# Altium PCB ChuanGanQi.PcbDoc
Units mil, origin at the board's own origin, x right, y up, seen from the top; angles counter-clockwise.
Board outline 5472.44 x 1377.95 mil, 2 copper layers (Top Layer, Bottom Layer); 124 components, 85 nets, 315 pads, 51 vias.
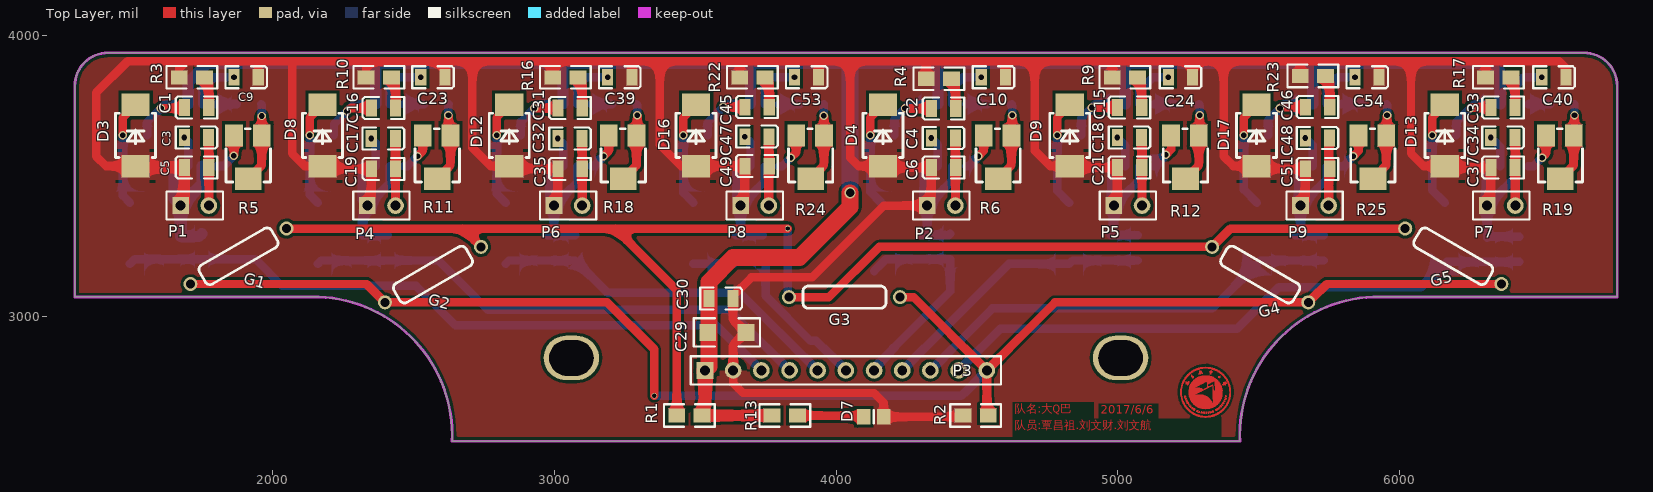
[diagram p0: Top Layer view]
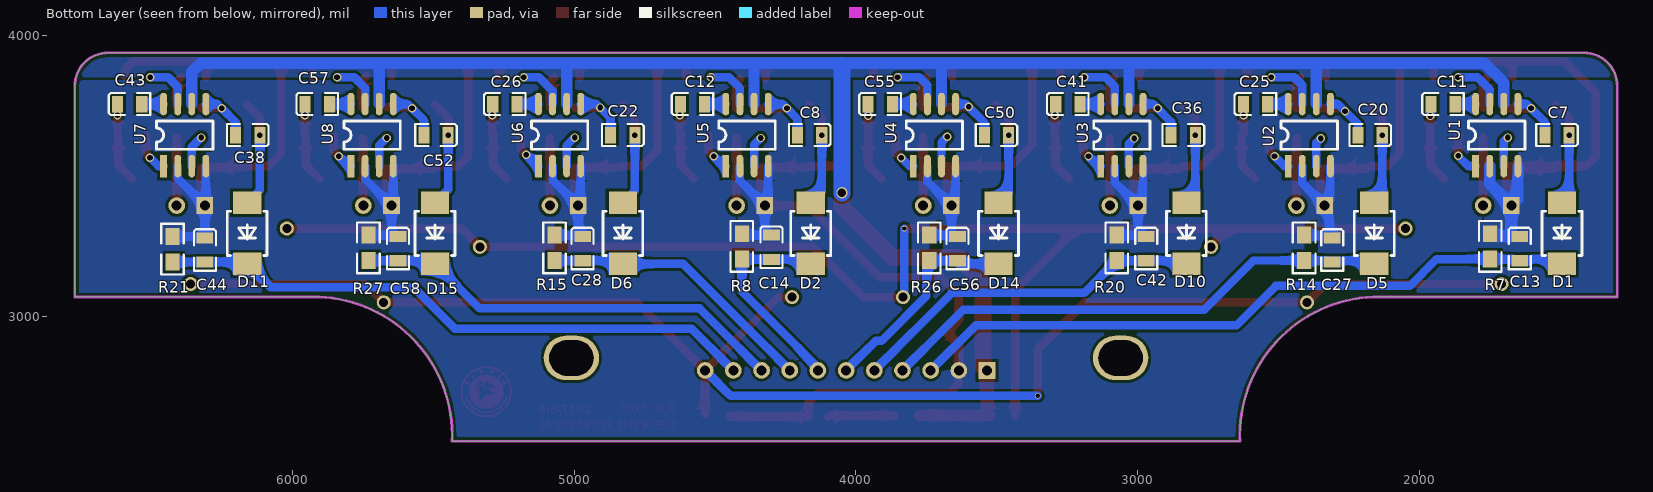
[diagram p1: Bottom Layer view, seen from below]
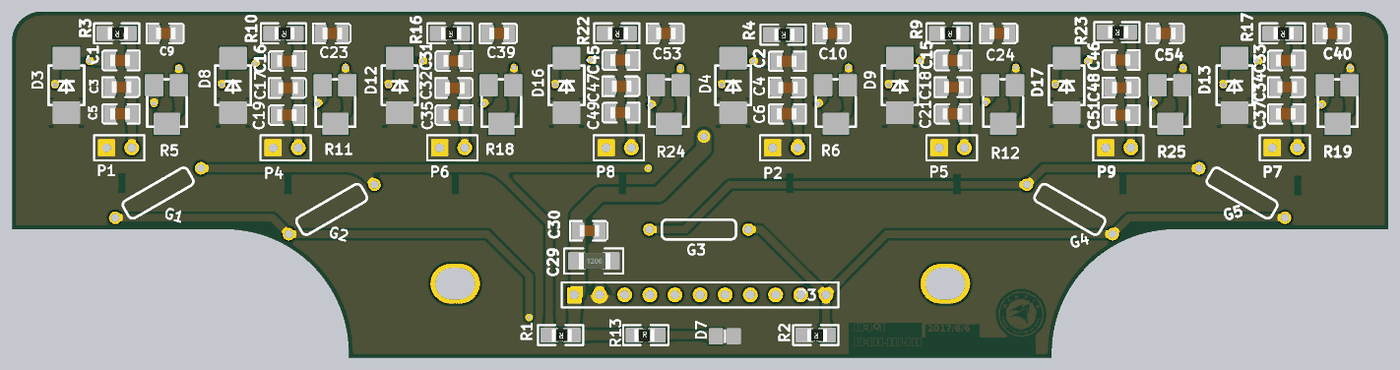
[diagram p2: 3D render of the assembled board from above, using the file's embedded part models]
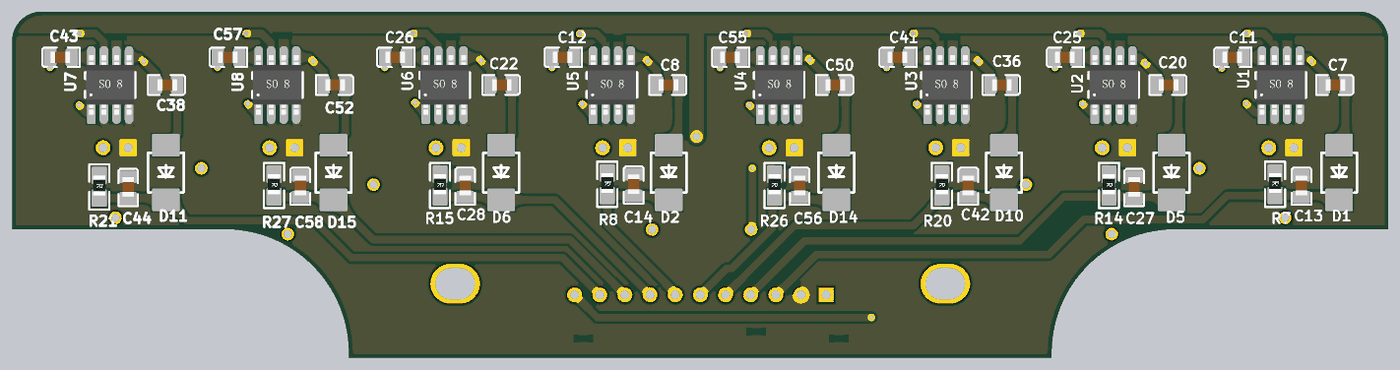
[diagram p3: 3D render of the assembled board from below, using the file's embedded part models]

## Layer stack, top to bottom
Top Solder: solder mask 0.4, Solder Resist, Dk 3.5
Top Layer: signal copper 1.4
Dielectric 1: dielectric 12.6, FR-4, Dk 4.8
Bottom Layer: signal copper 1.4
Bottom Solder: solder mask 0.4, Solder Resist, Dk 3.5

## Board outline
1299.21,3070.87 2165.35,3070.87 cw(c2145.67,2578.74) 2637.8,2559.06 5433.07,2559.06 cw(c5925.2,2578.74) 5905.51,3070.87 6771.65,3070.87 6771.65,3818.9 ccw(c6653.54,3818.9) 6653.54,3937.01 1417.32,3937.01 ccw(c1417.32,3818.9) 1299.21,3818.9

## Design rules (kind name [scope] priority, off if disabled: settings)
Clearance [All] p1: gap=10
HoleSize [All] p1: absolutevalues=TRUE maxlimit=200 minlimit=6 maxpercent=80.000 minpercent=20.000
MinimumSolderMaskSliver [All] p1: minsoldermaskwidth=2
PasteMaskExpansion [All] p1: expansion=5
PlaneClearance [All] p1: clearance=30
PlaneConnect [All] p1: planeconnectstyle=Relief reliefexpansion=30 reliefentries=4 reliefconductorwidth=100 reliefairgap=20
PolygonConnect [All] p1: connectstyle=Relief reliefconductorwidth=100 reliefentries=4 polygonreliefangle="90 Angle" airgapwidth=20
RoutingVias [All] p1: holewidth=15 width=20 viastyle="Through Hole" minholewidth=6 minwidth=6 maxholewidth=150 maxwidth=200
SilkToSilkClearance [All] p1: silktosilkclearance=0
SilkToSolderMaskClearance [IsPad] p1: minsilkscreentomaskgap=0 clearancetoexposedcopper=TRUE
SolderMaskExpansion [All] p1: expansion=5
Width gnd [InNet('GND')] p1: maxlimit=196.85 minlimit=30 preferedwidth=50
Width power [InNet('NetC21_1')] p2: maxlimit=118.11 minlimit=30 preferedwidth=78.74
Width [All] p3: maxlimit=118.11 minlimit=6 preferedwidth=30
23 further rules are at their usual default settings.

## Components (designator, comment, footprint, x,y, rotation, side; value= is the part's Value field where it differs from the comment)
C1 "Cap" C-0805 1688.66,3742.62 r0 top
C2 "Cap" C-0805 4338.66,3739.29 r0 top
C3 "Cap" C-0805 1774.06,3636.31 r180 top
C4 "Cap" C-0805 4424.06,3634.65 r180 top
C5 "Cap" C-0805 1688.66,3530 r0 top
C6 "Cap" C-0805 4338.66,3530 r0 top
C7 "Cap" C-0805 1470,3645 r0 bottom
C8 "Cap" C-0805 4121.43,3645 r0 bottom
C9 "Cap" C-0805 1950,3850 r180 top
C10 "Cap" C-0805 4601.43,3850 r180 top
C11 "Cap Pol2" C-0805 1960,3755 r180 bottom
C12 "Cap Pol2" C-0805 4622.86,3755 r180 bottom
C13 "Cap" C-0805 1645,3285 r270 bottom
C14 "Cap" C-0805 4300,3290 r270 bottom
C15 "Cap" C-0805 4998.66,3742.62 r0 top
C16 "Cap" C-0805 2351.52,3740.96 r0 top
C17 "Cap" C-0805 2436.92,3632.98 r180 top
C18 "Cap" C-0805 5084.06,3636.31 r180 top
C19 "Cap" C-0805 2351.52,3525 r0 top
C20 "Cap" C-0805 2132.86,3645 r0 bottom
C21 "Cap" C-0805 4998.66,3530 r0 top
C22 "Cap" C-0805 4784.29,3645 r0 bottom
C23 "Cap" C-0805 2612.86,3850 r180 top
C24 "Cap" C-0805 5265,3850 r180 top
C25 "Cap Pol2" C-0805 2625.71,3755 r180 bottom
C26 "Cap Pol2" C-0805 5288.57,3755 r180 bottom
C27 "Cap" C-0805 2310,3280 r270 bottom
C28 "Cap" C-0805 4970,3285 r270 bottom
C29 "Cap Pol1" 1206 3545,2945 r0 top
C30 "Cap" C-0805 3635,3065 r180 top
C31 "Cap" C-0805 3013.66,3740.96 r0 top
C32 "Cap" C-0805 3099.06,3632.98 r180 top
C33 "Cap" C-0805 6323.66,3742.62 r0 top
C34 "Cap" C-0805 6409.06,3636.31 r180 top
C35 "Cap" C-0805 3013.66,3525 r0 top
C36 "Cap" C-0805 2795.71,3645 r0 bottom
C37 "Cap" C-0805 6323.66,3530 r0 top
C38 "Cap" C-0805 6115,3645 r0 bottom
C39 "Cap" C-0805 3275.71,3850 r180 top
C40 "Cap" C-0805 6590,3850 r180 top
C41 "Cap Pol2" C-0805 3291.43,3755 r180 bottom
C42 "Cap" C-0805 2970,3285 r270 bottom
C43 "Cap Pol2" C-0805 6620,3755 r180 bottom
C44 "Cap" C-0805 6310,3280 r270 bottom
C45 "Cap" C-0805 3677.23,3744.29 r0 top
C46 "Cap" C-0805 5665.8,3744.29 r0 top
C47 "Cap" C-0805 3762.63,3639.65 r180 top
C48 "Cap" C-0805 5751.21,3634.65 r180 top
C49 "Cap" C-0805 3677.23,3535 r0 top
C50 "Cap" C-0805 3458.57,3645 r0 bottom
C51 "Cap" C-0805 5665.8,3525 r0 top
C52 "Cap" C-0805 5447.14,3645 r0 bottom
C53 "Cap" C-0805 3938.57,3850 r180 top
C54 "Cap" C-0805 5927.14,3850 r180 top
C55 "Cap Pol2" C-0805 3957.14,3755 r180 bottom
C56 "Cap" C-0805 3640,3285 r270 bottom
C57 "Cap Pol2" C-0805 5954.29,3755 r180 bottom
C58 "Cap" C-0805 5625,3285 r270 bottom
D1 "Diode" DO214AA 1495,3300 r270 bottom
D2 "Diode" DO214AA 4160.71,3300 r270 bottom
D3 "Diode" DO214AA 1515,3640 r90 top
D4 "Diode" DO214AA 4166.43,3640 r90 top
D5 "Diode" DO214AA 2161.43,3300 r270 bottom
D6 "Diode" DO214AA 4827.14,3300 r270 bottom
D7 "LED0" 6-0805_N 4133.53,2645.37 r0 top
D8 "Diode" DO214AA 2177.86,3640 r90 top
D9 "Diode" DO214AA 4829.29,3640 r90 top
D10 "Diode" DO214AA 2827.86,3300 r270 bottom
D11 "Diode" DO214AA 6160,3300 r270 bottom
D12 "Diode" DO214AA 2840.71,3640 r90 top
D13 "Diode" DO214AA 6160,3640 r90 top
D14 "Diode" DO214AA 3494.29,3300 r270 bottom
D15 "Diode" DO214AA 5493.57,3300 r270 bottom
D16 "Diode" DO214AA 3503.57,3640 r90 top
D17 "Diode" DO214AA 5492.14,3640 r90 top
G1 "GHG" GHG_MIN 1880,3215 r210 top
G2 "GHG" GHG_MIN 2570,3150 r210 top
G3 "GHG" GHG_MIN 4030,3070 r0 top
G4 "GHG" GHG_MIN 5505,3150 r330 top
G5 "GHG" GHG_MIN 6190,3215 r330 top
P1 "Header 2" HDR1X2 1675,3395 r0 top
P2 "Header 2" HDR1X2 4323.57,3395 r0 top
P3 "Header 11" HDR1X11 3535,2810 r0 top
P4 "Header 2" HDR1X2 2337.14,3395 r0 top
P5 "Header 2" HDR1X2 4985.71,3395 r0 top
P6 "Header 2" HDR1X2 2999.29,3395 r0 top
P7 "Header 2" HDR1X2 6310,3395 r0 top
P8 "Header 2" HDR1X2 3661.43,3395 r0 top
P9 "Header 2" HDR1X2 5647.86,3395 r0 top
R1 "Res2" 0805 3485,2650 r180 top
R2 "Res2" 0805 4500,2650 r180 top
R3 "Res2" 0805 1720,3850 r180 top
R4 "Res2" 0805 4370,3845 r180 top
R5 "RES-ADJ" T-3224w 1915,3510 r90 top
R6 "RES-ADJ" T-3224w 4575,3510 r90 top
R7 "Res2" 0805 1750,3255 r270 bottom
R8 "Res2" 0805 4405,3255 r270 bottom
R9 "Res2" 0805 5030,3850 r180 top
R10 "Res2" 0805 2382.86,3850 r180 top
R11 "RES-ADJ" T-3224w 2585,3510 r90 top
R12 "RES-ADJ" T-3224w 5240,3510 r90 top
R13 "Res2" 0805 3813.33,2650 r0 top
R14 "Res2" 0805 2410,3250 r270 bottom
R15 "Res2" 0805 5070,3250 r270 bottom
R16 "Res2" 0805 3045,3850 r180 top
R17 "Res2" 0805 6355,3850 r180 top
R18 "RES-ADJ" T-3224w 3245,3510 r90 top
R19 "RES-ADJ" T-3224w 6570,3510 r90 top
R20 "Res2" 0805 3075,3250 r270 bottom
R21 "Res2" 0805 6425,3245 r270 bottom
R22 "Res2" 0805 3708.57,3850 r180 top
R23 "Res2" 0805 5697.14,3855 r180 top
R24 "RES-ADJ" T-3224w 3910,3510 r90 top
R25 "RES-ADJ" T-3224w 5905,3510 r90 top
R26 "Res2" 0805 3740,3250 r270 bottom
R27 "Res2" 0805 5730,3250 r270 bottom
U1 "LM386" SO-8 1801.65,3535 r90 bottom
U2 "LM386" SO-8 2466.65,3535 r90 bottom
U3 "LM386" SO-8 3131.65,3535 r90 bottom
U4 "LM386" SO-8 3796.65,3535 r90 bottom
U5 "LM386" SO-8 4461.65,3535 r90 bottom
U6 "LM386" SO-8 5126.65,3535 r90 bottom
U7 "LM386" SO-8 6456.65,3535 r90 bottom
U8 "LM386" SO-8 5791.65,3535 r90 bottom

## Footprints (in the part's own frame and the unit in brackets; to place one, negate y for a bottom-side part, rotate by r counter-clockwise, add the part's x,y. Pads: shape width x height; smd on the part's side, far side on the other; paste and mask are expansions set on the pad)
6-0805_N [mm] "Chip Resistor, Body 2.0x1.2mm, IPC Medium Density"
  rect 1.2x1.4 smd: 1(-0.9,0) 2(0.9,0)
  silkscreen extent 0,-0.6 0,0.6, body extent -1.07,-0.7 1.07,0.7, height 0.7
0805 [mil]
  rect 60x50 smd: 1(-40,0) 2(50,0)
  silkscreen extent -85,-40 95,40, body extent -39,-24 39,29, height 26
1206 [mil]
  rect 60x60 smd: 1(0,0) 2(135,0)
  silkscreen extent -50,-50 185,50, body extent 7,-32 133,32, height 23
C-0805 [mm]
  rect 1x1.5 smd: 1(0,0) 2(2.184,0)
  silkscreen extent -0.79,-0.99 2.96,0.99, body extent 0.02,-0.6 2.02,0.6, height 0.95
DO214AA [mil]
  rect 80x100 smd: 1(-105,0) 2(112,0)
  silkscreen extent -75,-71 82,71
GHG_MIN [mil]
  round 50 hole 32: 1(-196.85,0) 2(196.85,0)
  silkscreen extent -148,-39 148,39
HDR1X2 [mm] "Connector; Header; 2 Position"
  rect 1.5x1.5 hole 0.9: 1(0,0)
  round 1.5 hole 0.9: 2(2.54,0)
  silkscreen extent -1.27,-1.27 3.81,1.27
HDR1X11 [mm] "Connector; Header; 11 Position"
  rect 1.5x1.5 hole 0.9: 1(0,0)
  round 1.5 hole 0.9: 2(2.54,0) 3(5.08,0) 4(7.62,0) 5(10.16,0) 6(12.7,0) 7(15.24,0) 8(17.78,0) 9(20.32,0) 10(22.86,0) 11(25.4,0)
  silkscreen extent -1.27,-1.27 26.67,1.27
SO-8 [mil]
  rect 80x24 smd: 1(0,0)
  oval 80x24 smd: 2(0,-50) 3(0,-100) 4(0,-150) 5(220,-150) 6(220,-100) 7(220,-50) 8(220,0)
  silkscreen extent 60,-175 160,25, body extent -8,-171 228,21, height 67
T-3224w [mm]
  rect 2x1.6 smd: 1(3.4,-1.2) 3(3.4,1.3)
  rect 2x2.4 smd: 2(-0.5,0)
  silkscreen extent -0.8,-2 4,2

## Part data
C1 C2 C3 C4 C5 C6 C7 C8 C9 C10 C13 C14 C15 C16 C17 C18 C19 C20 C21 C22 C23 C24 C27 C28 C30 C31 C32 C33 C34 C35 C36 C37 C38 C39 C40 C42 C44 C45 C46 C47 C48 C49 C50 C51 C52 C53 C54 C56 C58: "Capacitor"
C11 C12 C25 C26 C41 C43 C55 C57: "Polarized Capacitor (Axial)"
C29: "Polarized Capacitor (Radial)"
D1 D2 D3 D4 D5 D6 D8 D9 D10 D11 D12 D13 D14 D15 D16 D17: "Default Diode"
D7: "Typical INFRARED GaAs LED"
P1 P2 P4 P5 P6 P7 P8 P9: "Header, 2-Pin"
P3: "Header, 11-Pin"
R1 R2 R3 R4 R7 R8 R9 R10 R13 R14 R15 R16 R17 R20 R21 R22 R23 R26 R27: "Resistor"

## Free pads (board coordinates)
  oval 196.85x157.48 hole 125.98 slot 157.48 at 0 deg: 0(3061.02,2854.33) 0(5009.84,2854.33)

## Via types
v1: diameter 30, hole 20, Top Layer to Bottom Layer, 48 vias
v2: diameter 20, hole 15, Top Layer to Bottom Layer, 2 vias
v3: diameter 40, hole 30, Top Layer to Bottom Layer, 1 vias

## Nets (pads, with @x,y where several pads share a name; then routed paths per layer and width w, separated by ;. In a path a pad name is that pad's centre, name@x,y a point inside that pad or via, vN(x,y) a via of type N, cw(c..) or ccw(c..) an arc to the next point about the centre after c; other vN are vias at no path point)
GND: C5.1 C6.1 C9.1 C10.1 C13.1 C14.1 C19.1 C21.1 C23.1 C24.1 C27.1 C28.1 C29.2 C30.1 C35.1 C37.1 C39.1 C40.1 C42.1 C44.1 C49.1 C51.1 C53.1 C54.1 C56.1 C58.1 D3.1 D4.1 D7.2 D8.1 D9.1 D12.1 D13.1 D16.1 D17.1 P1.1 P2.1 P3.2 P4.1 P5.1 P6.1 P7.1 P8.1 P9.1 R2.2 R3.2 R4.2 R7.1 R8.1 R9.2 R10.2 R14.1 R15.1 R16.2 R17.2 R20.1 R21.1 R22.2 R23.2 R26.1 R27.1 U1.2 U1.4 U2.2 U2.4 U3.2 U3.4 U4.2 U4.4 U5.2 U5.4 U6.2 U6.4 U7.2 U7.4 U8.2 U8.4 | length 18649
  Top Layer w30: D3.1 1410,3535 1375,3570 1375,3795 1487.01,3907.01 1695,3907.01 ; R3.2 1670,3882.01 1695,3907.01 ; 1691.76,3903.77 1695,3907.01 ; C9.1 1950,3890 1932.99,3907.01 ; R10.2 2332.86,3884.87 2355,3907.01 ; P4.1 2351.52,3409.38 C19.1 2187.86,3525 D8.1 2115,3535 2070,3580 2070,3902.01 2075,3907.01 ; C23.1 2612.86,3877.14 2582.99,3907.01 ; R16.2 2995,3907.01 ; P6.1 3013.66,3409.38 C35.1 2850.71,3525 D12.1 2775,3535 2710,3600 2710,3907.01 ; C39.1 3275.71,3906.29 3275,3907.01 ; R22.2 3658.57,3905.58 3660,3907.01 ; P8.1 3677.23,3410.8 C49.1 D16.1 3450,3535 3375,3610 3375,3907.01 ; C53.1 3938.57,3905.58 3940,3907.01 ; R4.2 4320,3902.01 4325,3907.01 ; R2.2 4445.37,2645.37 D7.2 4168.97,2696.03 4135,2730 3670,2730 3635,2765 P3.2 3635,2900 C29.2 3635,2990 C30.1 3635,3075 3700,3140 3915,3140 4170,3395 P2.1 4338.66,3410.09 C6.1 4171.43,3530 D4.1 4080,3535 4050,3565 4050,3907.01 ; C10.1 4601.43,3903.44 4605,3907.01 ; R9.2 4980,3902.01 4985,3907.01 ; P5.1 4998.66,3407.95 C21.1 4834.29,3530 D9.1 4760,3535 4705,3590 4705,3907.01 ; C24.1 5265,3907.01 ; R23.2 5647.14,3904.87 5645,3907.01 ; P9.1 5665.8,3412.95 C51.1 5502.14,3525 D17.1 5410,3535 5375,3570 5375,3907.01 ; C54.1 5927.14,3904.15 5930,3907.01 ; R17.2 6305,3902.01 6300,3907.01 ; P7.1 6323.66,3408.66 C37.1 6165,3530 D13.1 6085,3535 6040,3580 6040,3907.01 ; C40.1 6590,3882.01 6565,3907.01 6300,3907.01 ; 1695,3907.01 1932.99,3907.01 ; 1932.99,3907.01 2075,3907.01 ; 2075,3907.01 2355,3907.01 ; 2355,3907.01 2582.99,3907.01 ; 2582.99,3907.01 2710,3907.01 ; 2710,3907.01 2995,3907.01 ; 2995,3907.01 3275,3907.01 ; 3275,3907.01 3375,3907.01 ; 3375,3907.01 3660,3907.01 ; 3660,3907.01 3940,3907.01 ; 3940,3907.01 4050,3907.01 ; 4050,3907.01 4325,3907.01 ; 4325,3907.01 4605,3907.01 ; 4605,3907.01 4705,3907.01 ; 4705,3907.01 4985,3907.01 ; 4985,3907.01 5265,3907.01 ; 5265,3907.01 5375,3907.01 ; 5375,3907.01 5645,3907.01 ; 5645,3907.01 5930,3907.01 ; 5930,3907.01 6040,3907.01 ; 6040,3907.01 6300,3907.01
  Top Layer w40: D3.1 1520,3530 C5.1 1688.66,3408.66 P1.1
  Bottom Layer w30: U2.4 2316.65,3415.49 P4.1 ; R14.1 2320,3290 2320,3377.86 P4.1 ; U2.2 2416.65,3474.51 P4.1 ; U3.4 2981.65,3412.64 P6.1 ; R20.1 2975,3290 2999.29,3314.29 P6.1 ; U3.2 3081.65,3477.36 P6.1 ; U4.4 3646.65,3409.78 P8.1 ; R26.1 3645,3290 3661.43,3306.43 P8.1 ; U4.2 3746.65,3480.22 P8.1 ; U5.4 4311.65,3406.92 P2.1 ; R8.1 4400,3290 C14.1 4323.57,3313.57 P2.1 ; U5.2 4411.65,3483.08 P2.1 ; U6.4 4976.65,3404.06 P5.1 ; R15.1 4975,3290 4985.71,3300.71 P5.1 ; U6.2 5076.65,3485.94 P5.1 ; P9.1@5641.65,3414.79 U8.4 ; R27.1 5630,3290 5647.86,3307.86 P9.1 5741.65,3488.79 U8.2 ; U7.4 6306.65,3398.35 P7.1 ; U7.2 6406.65,3491.65 P7.1 ; R21.1 6315,3285 C44.1 P7.1
  Bottom Layer w40: U1.4@1651.65,3535 1651.65,3418.35 P1.1 ; R7.1 1740,3285 1675,3285 P1.1 ; U1.2 1751.65,3471.65 P1.1
NetC1_1: C1.1 C7.2 U1.5 | length 252.9
  Top Layer w30: v1(1605,3740) 1686.04,3740 C1.1
  Bottom Layer w30: C7.2 1556,3691 v1(1605,3740) 1620,3755 U1.5@1651.65,3755
NetC1_2: C1.2 R3.1 | length 113.4
  Top Layer w30: R3.1 1774.66,3835.34 C1.2
NetC2_1: C2.1 C8.2 U5.5 | length 277.4
  Top Layer w30: v1(4245,3740) 4245.71,3739.29 C2.1
  Bottom Layer w30: C8.2 4207.43,3702.43 v1(4245,3740) 4260,3755 U5.5
NetC2_2: C2.2 R4.1 | length 111.8
  Top Layer w30: R4.1 4424.66,3830.34 C2.2
NetC3_1: C3.1 C5.2 P1.2 | length 241.7
  Top Layer w30: C3.1 1775,3635.38 P1.2
NetC3_2: C3.2 U1.3 | length 106.9
  Bottom Layer w30: v1(1688.06,3636.31) 1701.65,3622.73 U1.3
NetC4_1: C4.1 C6.2 P2.2 | length 239.8
  Top Layer w30: P2.2 4423.57,3634.15 C4.1
NetC4_2: C4.2 U5.3 | length 109.4
  Bottom Layer w30: v1(4338.06,3634.65) 4361.65,3611.06 U5.3
NetC7_1: C7.1 D1.1 D3.2 | length 376
  Top Layer w30: v1(1470,3645) 1470,3707 D3.2
  Bottom Layer w30: v1(1470,3645) 1470,3430 D1.1
NetC8_1: C8.1 D2.1 D4.2 | length 381.9
  Top Layer w30: v1(4121.43,3645) 4121.43,3707 D4.2
  Bottom Layer w30: v1(4121.43,3645) 4121.43,3444.29 D2.1
NetC9_2: C9.2 U1.7 | length 182
  Bottom Layer w30: U1.7 1751.65,3806.65 1795,3850 v1(1864,3850)
NetC10_2: C10.2 U5.7 | length 176.3
  Bottom Layer w30: U5.7 4411.65,3811.65 4450,3850 v1(4515.43,3850)
NetC11_1: C11.1 R5.1 R5.2 | length 285.6
  Top Layer w30: R5.2 1962.24,3537.56 R5.1 v1(1962.24,3712.76)
  Bottom Layer w30: C11.1 1962.76,3752.24 1962.24,3751.73 v1(1962.24,3712.76)
NetC11_2: C11.2 U1.8 | length 72.3
  Bottom Layer w30: U1.8 C11.2
NetC12_1: C12.1 R6.1 R6.2 | length 290.5
  Top Layer w30: R6.2 4622.24,3537.56 R6.1 4620,3646.1 4625,3651.1 v1(4625,3715)
  Bottom Layer w30: C12.1 4620,3752.14 4625,3747.14 v1(4625,3715)
NetC12_2: C12.2 U5.8 | length 75.2
  Bottom Layer w30: U5.8 C12.2
NetC13_2: C13.2 D1.2 P3.3 R7.2 | length 2410.7
  Bottom Layer w30: D1.2 1512,3205 R7.2 1940,3205 2035,3110 2510,3110 2650,2970 3575,2970 P3.3
NetC14_2: C14.2 D2.2 P3.7 R8.2 | length 794.5
  Bottom Layer w30: P3.7 4135,2820 4405,3090 R8.2 4177.71,3205 D2.2 D2.2@4135,3162.29
NetC15_1: C15.1 C22.2 U6.5 | length 278.3
  Top Layer w30: v1(4907.62,3742.62) C15.1
  Bottom Layer w30: C22.2 4870.29,3705.29 v1(4907.62,3742.62) 4920,3755 U6.5
NetC15_2: C15.2 R9.1 | length 113.4
  Top Layer w30: R9.1 5084.66,3835.34 C15.2
NetC16_1: C16.1 C20.2 U2.5 | length 257.2
  Top Layer w30: v1(2265,3730) 2275.96,3740.96 C16.1
  Bottom Layer w30: C20.2 2218.86,3683.86 v1(2265,3730) 2290,3755 U2.5
NetC16_2: C16.2 R10.1 | length 115.1
  Top Layer w30: R10.1 2437.52,3835.34 C16.2
NetC17_1: C17.1 C19.2 P4.2 | length 238.1
  Top Layer w30: C17.1 2437.14,3632.76 P4.2
NetC17_2: C17.2 U2.3 | length 104.5
  Bottom Layer w30: v1(2350.92,3632.98) 2366.65,3617.25 U2.3
NetC18_1: C18.1 C21.2 P5.2 | length 242
  Top Layer w30: C18.1 5085.71,3634.66 P5.2
NetC18_2: C18.2 U6.3 | length 113.2
  Bottom Layer w30: v1(4998.06,3636.31) 5026.65,3607.73 U6.3
NetC20_1: C20.1 D5.1 D8.2 | length 377.5
  Top Layer w30: v1(2132.86,3645) 2132.86,3707 D8.2
  Bottom Layer w30: v1(2132.86,3645) 2132.86,3433.57 D5.1
NetC22_1: C22.1 D6.1 D9.2 | length 383.4
  Top Layer w30: v1(4784.29,3645) 4784.29,3707 D9.2
  Bottom Layer w30: v1(4784.29,3645) 4784.29,3447.86 D6.1
NetC23_2: C23.2 U2.7 | length 188.6
  Bottom Layer w30: U2.7 2416.65,3821.65 2445,3850 v1(2526.86,3850)
NetC24_2: C24.2 U6.7 | length 169
  Bottom Layer w30: U6.7 5076.65,3801.65 5125,3850 v1(5179,3850)
NetC25_1: C25.1 R11.1 R11.2 | length 287.6
  Top Layer w30: R11.2 2632.24,3537.56 R11.1 2625,3651.1 v1(2625,3715)
  Bottom Layer w30: v1(2625,3715) 2625,3754.29 C25.1
NetC25_2: C25.2 U2.8 | length 73.1
  Bottom Layer w30: U2.8 C25.2
NetC26_1: C26.1 R12.1 R12.2 | length 290.8
  Top Layer w30: R12.2 5287.24,3537.56 R12.1 5285,3646.1 5290,3651.1 v1(5290,3715)
  Bottom Layer w30: C26.1 5285,3751.43 5290,3746.43 v1(5290,3715)
NetC26_2: C26.2 U6.8 | length 75.9
  Bottom Layer w30: U6.8 C26.2
NetC27_2: C27.2 D5.2 P3.4 R14.2 | length 1840.1
  Bottom Layer w30: D5.2 2173.43,3200 R14.2 2590,3200 2765,3025 3620,3025 P3.4
NetC28_2: C28.2 D6.2 P3.8 R15.2 | length 996.5
  Bottom Layer w30: P3.8 4613,3188 D6.2 4839.14,3200 R15.2
NetC29_1: C29.1 C30.2 P3.1 R1.1 R13.1 U1.6 U2.6 U3.6 U4.6 U5.6 U6.6 U7.6 U8.6 | length 7596.7
  Top Layer w40: P3.1 3535,2660 R1.1 R13.1
  Top Layer w60: P3.1 3549,2824 C30.2 3549,3124 3635,3210 3870,3210 4050,3390 v3(4050,3440)
  Bottom Layer w40: U1.6@1701.65,3755 1701.65,3831.65 1770,3900 2365,3900 ; U2.6 2366.65,3898.35 2365,3900 ; U3.6 3031.65,3898.35 ; U4.6 3696.65,3898.35 ; U5.6 4361.65,3898.35 ; U6.6@5026.65,3755 5026.65,3898.35 ; U8.6 5691.65,3898.35 5690,3900 ; U7.6 6356.65,3868.35 6325,3900 5690,3900 ; 2365,3900 5690,3900
  Bottom Layer w60: v3(4050,3440) 4050,3892.01
NetC31_1: C31.1 C36.2 U3.5 | length 258.8
  Top Layer w30: v1(2930,3740) 2929.04,3740.96 C31.1
  Bottom Layer w30: C36.2 2881.71,3691.71 v1(2930,3740) 2945,3755 U3.5
NetC31_2: C31.2 R16.1 | length 115.1
  Top Layer w30: R16.1 3099.66,3835.34 C31.2
NetC32_1: C32.1 C35.2 P6.2 | length 238.1
  Top Layer w30: C32.1 3099.29,3632.76 P6.2
NetC32_2: C32.2 U3.3 | length 105.7
  Bottom Layer w30: v1(3013.06,3632.98) 3031.65,3614.39 U3.3
NetC33_1: C33.1 C38.2 U7.5 | length 231.7
  Top Layer w30: v1(6250,3740) 6252.62,3742.62 C33.1
  Bottom Layer w30: C38.2 6201,3691 v1(6250,3740) ; 6265,3755 U7.5
NetC33_2: C33.2 R17.1 | length 113.4
  Top Layer w30: R17.1 6409.66,3835.34 C33.2
NetC34_1: C34.1 C37.2 P7.2 | length 241.7
  Top Layer w30: C34.1 6410,3635.38 P7.2
NetC34_2: C34.2 U7.3 | length 115.2
  Bottom Layer w30: v1(6323.06,3636.31) 6356.65,3602.73 U7.3
NetC36_1: C36.1 D10.1 D12.2 | length 379
  Top Layer w30: v1(2795.71,3645) 2795.71,3707 D12.2
  Bottom Layer w30: v1(2795.71,3645) 2795.71,3437.14 D10.1
NetC38_1: C38.1 D11.1 D13.2 | length 384.3
  Top Layer w30: v1(6115,3645) 6115,3707 D13.2
  Bottom Layer w30: v1(6115,3645) 6115,3450 D11.1
NetC39_2: C39.2 U3.7 | length 183.5
  Bottom Layer w30: U3.7 3081.65,3816.65 3115,3850 v1(3189.71,3850)
NetC40_2: C40.2 U7.7 | length 172.8
  Bottom Layer w30: U7.7 6406.65,3816.65 6440,3850 v1(6504,3850)
NetC41_1: C41.1 R18.1 R18.2 | length 287.6
  Top Layer w30: R18.2 3292.24,3537.56 R18.1 3291.43,3644.67 3295,3648.25 v1(3295,3715)
  Bottom Layer w30: C41.1 3295,3751.43 v1(3295,3715)
NetC41_2: C41.2 U3.8 | length 73.8
  Bottom Layer w30: U3.8 C41.2
NetC42_2: C42.2 D10.2 P3.5 R20.2 | length 1273.7
  Bottom Layer w30: D10.2 2839.86,3200 R20.2 3190,3085 3660,3085 P3.5
NetC43_1: C43.1 R19.1 R19.2 | length 285.4
  Top Layer w30: R19.2 6617.24,3537.56 R19.1 6620,3646.61 v1(6620,3715)
  Bottom Layer w30: v1(6620,3715) C43.1
NetC43_2: C43.2 U7.8 | length 77.4
  Bottom Layer w30: U7.8 C43.2
NetC44_2: C44.2 D11.2 P3.10 R21.2 | length 2149.5
  Bottom Layer w30: P3.10 4583.07,2958.07 5423.07,2958.07 5570,3105 6077,3105 D11.2 6167,3195 R21.2
NetC45_1: C45.1 C50.2 U4.5 | length 251.3
  Top Layer w30: v1(3600,3745) 3600.71,3744.29 C45.1
  Bottom Layer w30: C50.2 3544.57,3689.57 v1(3600,3745) 3610,3755 U4.5
NetC45_2: C45.2 R22.1 | length 111.8
  Top Layer w30: R22.1 3763.23,3835.34 C45.2
NetC46_1: C46.1 C52.2 U8.5 | length 277.8
  Top Layer w30: v1(5575,3740) 5579.29,3744.29 C46.1
  Bottom Layer w30: C52.2 5533.14,3698.14 v1(5575,3740) 5590,3755 U8.5
NetC46_2: C46.2 R23.1 | length 116.8
  Top Layer w30: R23.1 5751.8,3840.34 C46.2
NetC47_1: C47.1 C49.2 P8.2 | length 245.1
  Top Layer w30: P8.2 3761.43,3638.44 C47.1
NetC47_2: C47.2 U4.3 | length 112.9
  Bottom Layer w30: v1(3676.63,3639.65) 3696.65,3619.63 U4.3
NetC48_1: C48.1 C51.2 P9.2 | length 241
  Top Layer w30: P9.2 5747.86,3631.3 C48.1
NetC48_2: C48.2 U8.3 | length 110.6
  Bottom Layer w30: v1(5665.21,3634.65) 5691.65,3608.2 U8.3
NetC50_1: C50.1 D14.1 D16.2 | length 380.4